# Altium PCB Length Bar Comparator.PcbDoc (part 5 of 6)
Units mm, origin at the board's own origin, x right, y up, seen from the top; angles counter-clockwise.
Board outline 299.85 x 245.49 mm, 4 copper layers (Top Layer, Internal Plane 1, Internal Plane 2, Bottom Layer), stack 0.778 mm thick; 462 components, 376 nets, 1824 pads, 805 vias.
Unrouted connection lines stored in the file: 8.
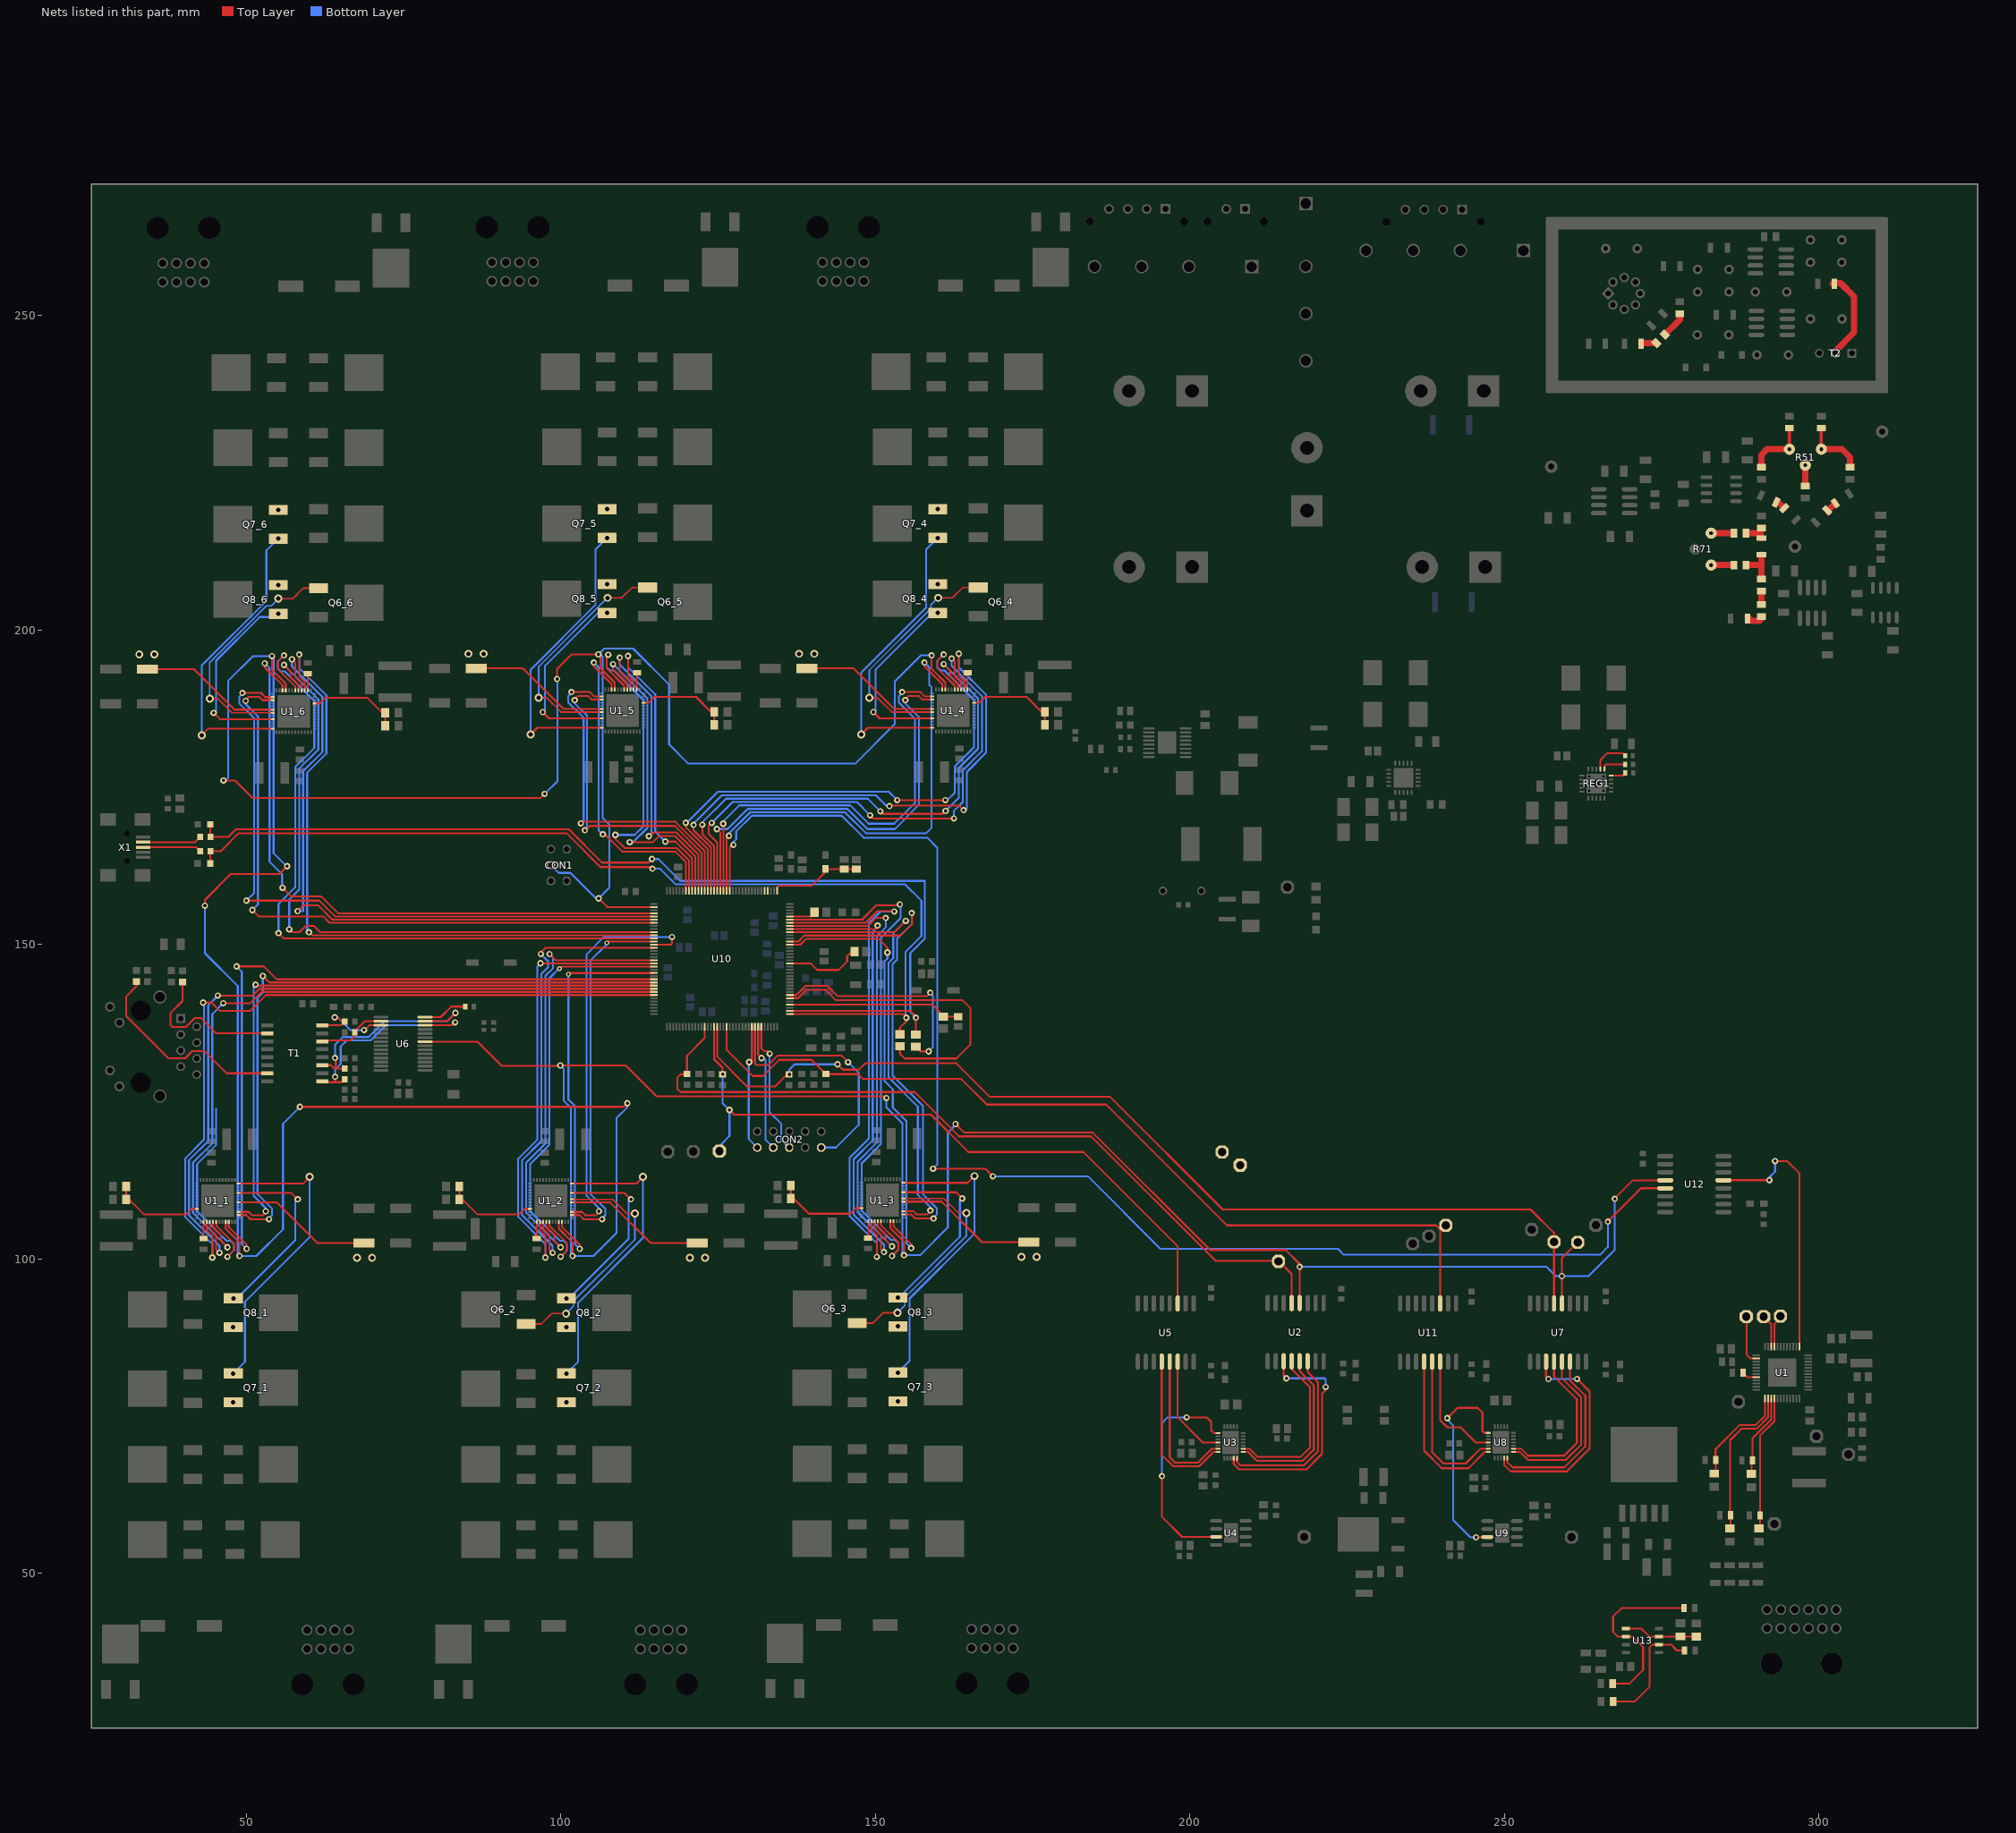
[diagram p7: the nets of this part, all layers, seen from the top]

## Via types
v1: diameter 1.016, hole 0.508, Top Layer to Bottom Layer, 512 vias
v2: diameter 1.27, hole 0.711, Top Layer to Bottom Layer, 194 vias
v3: diameter 1.5, hole 1, Top Layer to Bottom Layer, 31 vias
v4: diameter 2, hole 1, Top Layer to Bottom Layer, 24 vias
v5: diameter 0.762, hole 0.381, Top Layer to Bottom Layer, 20 vias
v6: diameter 1, hole 0.7, Top Layer to Bottom Layer, 6 vias
v7: diameter 1.27, hole 0.7, Top Layer to Bottom Layer, 6 vias
v8: diameter 3, hole 2, Top Layer to Bottom Layer, 4 vias
v9: diameter 0.5, hole 0.2, Top Layer to Bottom Layer, 4 vias
v10: diameter 1.4, hole 1, Top Layer to Bottom Layer, 2 vias
v11: diameter 1, hole 0.5, Top Layer to Bottom Layer, 1 vias
v12: diameter 1, hole 0.75, Top Layer to Bottom Layer, 1 vias

## Nets (pads, with @x,y where several pads share a name; then routed paths per layer and width w, separated by ;. In a path a pad name is that pad's centre, name@x,y a point inside that pad or via, vN(x,y) a via of type N, cw(c..) or ccw(c..) an arc to the next point about the centre after c; other vN are vias at no path point) (continued)
NetQ6_2_1: Q6_2.1 U1_2.31 | length 39.1
  Top Layer w0.254: Q6_2.1@94.449,89.658 96.897,89.658 98.552,91.313 v2(100.838,91.313) ; U1_2.31@101.76,109.47 108.208,109.47 110.49,107.188 v2(111.76,107.188)
  Bottom Layer w0.254: 100.838,91.948 v2(100.838,91.313) 101.981,92.456 101.981,93.294 111.76,103.073 v2(111.76,107.188)
NetQ6_3_1: Q6_3.1 U1_3.31 | length 39.1
  Top Layer w0.254: Q6_3.1@147.129,89.785 149.577,89.785 151.232,91.44 v2(153.518,91.44) ; U1_3.31@154.44,109.597 160.888,109.597 163.17,107.315 v2(164.44,107.315)
  Bottom Layer w0.254: 153.518,92.075 v2(153.518,91.44) 154.661,92.583 154.661,93.853 164.44,103.632 v2(164.44,107.315)
NetQ6_4_1: Q6_4.1 U1_4.31 | length 39.1
  Top Layer w0.254: v2(149.021,189.23) 150.291,189.23 152.573,186.948 U1_4.31@159.021,186.948 ; v2(159.943,205.105) 162.229,205.105 163.884,206.76 Q6_4.1@166.332,206.76
  Bottom Layer w0.254: v2(149.021,189.23) 149.021,193.623 158.8,203.402 158.8,203.962 v2(159.943,205.105) 159.943,204.47
NetQ6_5_1: Q6_5.1 U1_5.31 | length 38.4
  Top Layer w0.254: v2(96.468,189.23) 97.738,189.23 100.02,186.948 U1_5.31@106.468,186.948 ; v2(107.39,205.105) 109.676,205.105 111.331,206.76 Q6_5.1@113.779,206.76
  Bottom Layer w0.254: v2(96.468,189.23) 96.468,194.183 v2(107.39,205.105)
NetQ6_6_1: Q6_6.1 U1_6.31 | length 39.5
  Top Layer w0.254: v2(44.169,189.103) 45.439,189.103 47.721,186.821 U1_6.31@54.169,186.821 ; v2(55.091,204.978) 57.377,204.978 59.032,206.633 Q6_6.1@61.48,206.633
  Bottom Layer w0.254: v2(44.169,189.103) 44.169,194.816 53.188,203.835 53.948,203.835 v2(55.091,204.978) 55.091,204.343
NetQ7_1_1: Q7_1.1 U1_1.36 | length 48
  Top Layer w0.305: U1_1.36@48.801,111.97 59.011,111.97 v2(60.071,113.03)
  Bottom Layer w0.305: v2(47.924,81.792) 49.784,83.652 49.784,93.193 60.071,103.48 v2(60.071,113.03)
NetQ7_1_3: Q7_1.3 Q8_1.3 R2_1.2 U1_1.30 | length 22.6
  Top Layer w0.305: U1_1.30@48.801,108.97 54.86,108.97 61.297,102.533 R2_1.2@68.707,102.533
  other v2: 47.924,77.212 47.924,89.15 67.564,100.203 69.977,100.203
NetQ7_2_1: Q7_2.1 U1_2.36 | length 48
  Top Layer w0.305: U1_2.36@101.76,111.97 111.97,111.97 v2(113.03,113.03)
  Bottom Layer w0.305: v2(100.883,81.792) 102.743,83.652 102.743,93.04 113.03,103.327 v2(113.03,113.03)
NetQ7_2_3: Q7_2.3 Q8_2.3 R2_2.2 U1_2.30 | length 22.6
  Top Layer w0.305: U1_2.30@101.76,108.97 107.819,108.97 114.256,102.533 R2_2.2@121.666,102.533
  other v2: 100.883,77.212 100.883,89.15 120.523,100.203 122.936,100.203
NetQ7_3_1: Q7_3.1 U1_3.36 | length 48
  Top Layer w0.305: U1_3.36@154.44,112.097 164.65,112.097 v2(165.71,113.157)
  Bottom Layer w0.305: v2(153.563,81.919) 155.423,83.779 155.423,93.701 165.71,103.988 v2(165.71,113.157)
NetQ7_3_3: Q7_3.3 Q8_3.3 R2_3.2 U1_3.30 | length 22.6
  Top Layer w0.305: U1_3.30@154.44,109.097 160.499,109.097 166.936,102.66 R2_3.2@174.346,102.66
  other v2: 153.563,77.339 153.563,89.277 173.203,100.33 175.616,100.33
NetQ7_4_1: Q7_4.1 U1_4.36 | length 48
  Top Layer w0.305: v2(147.751,183.388) 148.811,184.448 U1_4.36@159.021,184.448
  Bottom Layer w0.305: v2(147.751,183.388) 147.751,193.217 158.038,203.504 158.038,212.766 v2(159.898,214.626)
NetQ7_4_3: Q7_4.3 Q8_4.3 R2_4.2 U1_4.30 | length 22.6
  Top Layer w0.305: R2_4.2@139.115,193.885 146.525,193.885 152.962,187.448 U1_4.30@159.021,187.448
  other v2: 137.845,196.215 140.258,196.215 159.898,207.268 159.898,219.206
NetQ7_5_1: Q7_5.1 U1_5.36 | length 48
  Top Layer w0.305: v2(95.198,183.388) 96.258,184.448 U1_5.36@106.468,184.448
  Bottom Layer w0.305: v2(95.198,183.388) 95.198,193.699 105.485,203.986 105.485,212.766 v2(107.345,214.626)
NetQ7_5_3: Q7_5.3 Q8_5.3 R2_5.2 U1_5.30 | length 22.6
  Top Layer w0.305: R2_5.2@86.562,193.885 93.972,193.885 100.409,187.448 U1_5.30@106.468,187.448
  other v2: 85.292,196.215 87.705,196.215 107.345,207.268 107.345,219.206
NetQ7_6_1: Q7_6.1 U1_6.36 | length 48
  Top Layer w0.305: v2(42.899,183.261) 43.959,184.321 U1_6.36@54.169,184.321
  Bottom Layer w0.305: v2(42.899,183.261) 42.899,194.334 53.186,204.621 53.186,212.639 v2(55.046,214.499)
NetQ7_6_3: Q7_6.3 Q8_6.3 R2_6.2 U1_6.30 | length 22.6
  Top Layer w0.305: R2_6.2@34.263,193.758 41.673,193.758 48.11,187.321 U1_6.30@54.169,187.321
  other v2: 32.993,196.088 35.406,196.088 55.046,207.141 55.046,219.079
NetQ8_1_1: Q8_1.1 U1_1.33 | length 29.9
  Top Layer w0.305: Q8_1.1@47.924,93.73 v2(47.928,93.726) ; U1_1.33@48.801,110.47 57.17,110.47 v1(58.166,109.474)
  Bottom Layer w0.305: v2@48.006,94.234 49.022,94.234 57.785,102.997 57.785,109.22 58.039,109.474 v1(58.166,109.474)
NetQ8_2_1: Q8_2.1 U1_2.33 | length 29.8
  Top Layer w0.305: Q8_2.1@100.883,93.73 v2(100.887,93.726) ; U1_2.33@101.76,110.47 110.129,110.47 v1(111.125,109.474)
  Bottom Layer w0.305: v2@100.965,94.234 101.803,94.234 110.744,103.175 110.744,109.22 110.998,109.474 v1(111.125,109.474)
NetQ8_3_1: Q8_3.1 U1_3.33 | length 29.6
  Top Layer w0.305: Q8_3.1@153.563,93.857 v2(153.567,93.853) ; U1_3.33@154.44,110.597 162.809,110.597 v1(163.805,109.601)
  Bottom Layer w0.305: v2@153.645,94.361 154.229,94.361 163.424,103.556 163.424,109.347 163.678,109.601 v1(163.805,109.601)
NetQ8_4_1: Q8_4.1 U1_4.33 | length 30.1
  Top Layer w0.305: v1(149.656,186.944) 150.652,185.948 U1_4.33@159.021,185.948 ; v2(159.894,202.692) Q8_4.1@159.898,202.688
  Bottom Layer w0.305: v1(149.656,186.944) 149.783,186.944 150.037,187.198 150.037,193.725 158.496,202.184 v2@159.816,202.184
NetQ8_5_1: Q8_5.1 U1_5.33 | length 30.1
  Top Layer w0.305: v1(97.103,186.944) 98.099,185.948 U1_5.33@106.468,185.948 ; v2(107.341,202.692) Q8_5.1@107.345,202.688
  Bottom Layer w0.305: v1(97.103,186.944) 97.23,186.944 97.484,187.198 97.484,194.309 105.867,202.692 v2@106.755,202.692
NetQ8_6_1: Q8_6.1 U1_6.33 | length 31
  Top Layer w0.305: v1(44.804,186.817) 45.8,185.821 U1_6.33@54.169,185.821 ; v2(55.042,202.565) Q8_6.1@55.046,202.561
  Bottom Layer w0.305: v1(44.804,186.817) 44.931,186.817 45.185,187.071 45.185,195.121 52.121,202.057 v2@54.964,202.057
NetR1_2: R1.2 R3.1 U13.6 | length 29.4
  Top Layer w0.305: R3.1@267.193,32.487 269.875,32.487 272.009,34.62 272.009,38.278 270.332,39.954 U13.6@269.291,39.954 267.97,39.954 267.259,40.665 267.259,43.155 268.58,44.475 R1.2@278.525,44.475
NetR2_1: R2.1 R4.2 U13.3 U13.5 | length 11.5
  Top Layer w0.305: U13.5@269.291,41.224 271.729,41.224 272.999,39.954 U13.3@274.541,39.954 R4.2@277.724,39.954 ; R4.2@277.952,39.971 277.978,39.946 R2.1@280.467,39.946
NetR3_1_1: R3_1.1 R4_1.2 U1_1.9 | length 14.6
  Top Layer w0.305: R3_1.1@30.895,111.506 R4_1.2@30.895,109.474 31.369,109.474 33.782,107.061 40.386,107.061 41.295,107.97 U1_1.9@42.131,107.97
NetR3_2_1: R3_2.1 R4_2.2 U1_2.9 | length 14.6
  Top Layer w0.305: R3_2.1@83.854,111.506 R4_2.2@83.854,109.474 84.328,109.474 86.741,107.061 93.345,107.061 94.254,107.97 U1_2.9@95.09,107.97
NetR3_3_1: R3_3.1 R4_3.2 U1_3.9 | length 14.6
  Top Layer w0.305: R3_3.1@136.534,111.633 R4_3.2@136.534,109.601 137.008,109.601 139.421,107.188 146.025,107.188 146.934,108.097 U1_3.9@147.77,108.097
NetR3_4_1: R3_4.1 R4_4.2 U1_4.9 | length 14.6
  Top Layer w0.305: U1_4.9@165.691,188.448 166.527,188.448 167.436,189.357 174.04,189.357 176.453,186.944 R4_4.2@176.927,186.944 R3_4.1@176.927,184.912
NetR3_5_1: R3_5.1 R4_5.2 U1_5.9 | length 14.6
  Top Layer w0.305: U1_5.9@113.138,188.448 113.974,188.448 114.883,189.357 121.487,189.357 123.9,186.944 R4_5.2@124.374,186.944 R3_5.1@124.374,184.912
NetR3_6_1: R3_6.1 R4_6.2 U1_6.9 | length 14.6
  Top Layer w0.305: U1_6.9@60.839,188.321 61.675,188.321 62.584,189.23 69.188,189.23 71.601,186.817 R4_6.2@72.075,186.817 R3_6.1@72.075,184.785
NetR6_1_2: R6_1.2 U1_1.14 | length 2.7
  Top Layer w0.3: R6_1.2@43.216,103.248 U1_1.14@43.216,105.885
  Top Layer w0.5: R6_1.2@43.18,103.212 R6_1.2@43.216,103.248
NetR6_2: R6.2 R7.1 U13.2 | length 19.1
  Top Layer w0.305: R7.1@267.244,29.642 270.713,29.642 273.025,31.953 273.025,38.202 273.507,38.684 U13.2@274.541,38.684 276.454,38.684 277.393,37.744 R6.2@278.575,37.744
NetR6_2_2: R6_2.2 U1_2.14 | length 2.7
  Top Layer w0.3: R6_2.2@96.175,103.248 U1_2.14@96.175,105.885
  Top Layer w0.5: R6_2.2@96.139,103.212 R6_2.2@96.175,103.248
NetR6_3_2: R6_3.2 U1_3.14 | length 2.7
  Top Layer w0.3: R6_3.2@148.855,103.375 U1_3.14@148.855,106.012
  Top Layer w0.5: R6_3.2@148.819,103.339 R6_3.2@148.855,103.375
NetR6_4_2: R6_4.2 U1_4.14 | length 2.7
  Top Layer w0.3: U1_4.14@164.606,190.533 R6_4.2@164.606,193.17
  Top Layer w0.5: R6_4.2@164.606,193.17 R6_4.2@164.642,193.206
NetR6_5_2: R6_5.2 U1_5.14 | length 2.7
  Top Layer w0.3: U1_5.14@112.053,190.533 R6_5.2@112.053,193.17
  Top Layer w0.5: R6_5.2@112.053,193.17 R6_5.2@112.089,193.206
NetR6_6_2: R6_6.2 U1_6.14 | length 2.7
  Top Layer w0.3: U1_6.14@59.754,190.406 R6_6.2@59.754,193.043
  Top Layer w0.5: R6_6.2@59.754,193.043 R6_6.2@59.79,193.079
NetR8_1: R8.1 R46.1 U10.38 Z2.1 | length 166.3
  Top Layer w0.305: Z2.1@44.285,169.062 R46.1@44.285,167.107 47.168,167.107 48.387,168.326 101.219,168.326 106.528,163.017 113.919,163.017 v1(114.478,163.576) ; U10.38@136.403,139.451 155.494,139.451 156.439,138.506 v1(156.439,138.354) 156.439,135.672 R8.1@156.413,135.646
  Bottom Layer w0.305: v1(114.478,163.576) 115.494,163.576 118.974,160.096 157.861,160.096 157.861,150.952 155.524,148.615 155.524,139.268 v1(156.439,138.354)
NetR8_2: R8.2 U10.43 | length 36
  Top Layer w0.305: U10.43@136.403,141.951 137.43,141.951 138.887,143.408 142.342,143.408 143.993,141.757 158.166,141.757 158.699,142.291 v1(158.699,142.342) ; R8.2@156.413,133.746 157.165,132.994 v1(158.471,132.994)
  Bottom Layer w0.305: v1(158.471,132.994) 159.106,133.629 159.106,141.935 v1(158.699,142.342)
NetR11_1: R11.1 R45.1 U10.37 Z1.1 | length 162.3
  Top Layer w0.305: Z1.1@44.51,162.839 44.285,163.065 R45.1@44.285,164.821 45.923,164.821 48.793,167.691 100.889,167.691 106.274,162.306 114.173,162.306 114.452,162.027 v1(114.554,162.027) ; U10.37@136.403,138.951 154.343,138.951 154.915,138.38 v1(154.915,138.328) 154.915,137.77 153.899,136.754 R11.1@153.899,135.697
  Bottom Layer w0.305: v1(114.554,162.027) 115.773,162.027 118.262,159.537 154.711,159.537 157.302,156.947 157.302,151.333 154.762,148.793 154.762,138.481 v1(154.915,138.328)
NetR11_2: R11.2 U10.42 | length 49.8
  Top Layer w0.305: U10.42@136.403,141.451 137.717,141.451 139.065,142.799 142.062,142.799 143.739,141.122 163.83,141.122 165.075,139.878 165.075,134.061 162.865,131.851 154.661,131.851 153.899,132.613 R11.2@153.899,133.797
NetR15_1: R15.1 U1.44 | length 2.4
  Top Layer w0.305: R15.1@287.895,81.89 288.607,81.178 U1.44@290.02,81.178
NetR16_2: R16.2 R17.2 U1.1 | length 16.8
  Top Layer w0.305: R17.2@283.325,65.859 283.565,66.099 R16.2@283.565,68.009 ; R16.2@283.528,68.009 283.528,69.736 287.389,73.597 289.954,73.597 291.395,75.038 U1.1@291.395,77.803
NetR18_2: R18.2 R20.2 U1.2 | length 24.7
  Top Layer w0.305: R20.2@285.84,57.147 285.902,57.209 R18.2@285.902,59.246 ; R18.2@285.84,59.195 285.84,71.159 287.668,72.988 290.081,72.988 291.895,74.802 U1.2@291.895,77.803
NetR21_2: R21.2 T1.11 U6.13 | length 34.2
  Top Layer w0.305: T1.11@62.078,130.785 63.449,130.785 63.957,130.277 64.211,130.277 ; v1(64.084,131.953) 64.211,131.826 64.211,130.277 ; R21.2@65.646,130.277 64.211,130.277 ; U6.13@78.405,137.789 78.411,137.795 81.915,137.795 v1(83.236,139.116)
  Bottom Layer w0.305: v1(64.084,131.953) 64.084,134.036 65.329,135.28 69.444,135.28 71.958,137.795 81.915,137.795 v1(83.236,139.116)
NetR22_2: R22.2 T1.9 U6.12 | length 34.6
  Top Layer w0.305: T1.9@62.078,128.245 62.23,128.092 64.135,128.092 ; v1(64.11,128.956) 64.135,128.93 64.135,128.092 ; R22.2@65.646,128.549 65.189,128.092 64.135,128.092 ; U6.12@78.405,137.139 78.409,137.135 82.728,137.135 v1(83.185,137.592)
  Bottom Layer w0.305: v1(64.11,128.956) 64.11,130.099 64.999,130.988 64.999,133.782 65.964,134.747 69.748,134.747 72.136,137.135 82.728,137.135 v1(83.185,137.592)
NetR23_2: R23.2 T1.16 U6.17 | length 14.2
  Top Layer w0.305: T1.16@62.078,137.135 65.062,137.135 R23.2@65.646,137.719 65.202,137.719 64.516,138.405 v1(64.033,138.405) ; v1(68.707,136.398) 68.783,136.398 69.524,137.139 U6.17@71.405,137.139
  Bottom Layer w0.305: v1(64.033,138.405) 64.516,138.405 66.523,136.398 v1(68.707,136.398)
NetR24_2: R24.2 T1.14 U6.16 | length 11.1
  Top Layer w0.305: T1.14@62.078,134.595 62.23,134.747 66.573,134.747 67.246,135.42 R24.2@67.246,135.992 67.246,136.207 68.828,137.789 U6.16@71.405,137.789
NetR30_2: R30.2 U6.14 | length 7.1
  Top Layer w0.305: U6.14@78.405,138.439 80.882,138.439 82.55,140.106 R30.2@84.782,140.106
NetR33_1: R33.1 T1.2 | length 24.7
  Top Layer w0.305: R33.1@39.853,144.007 39.853,140.995 37.948,139.09 37.948,137.211 38.278,136.881 40.386,136.881 41.783,138.278 42.799,138.278 45.212,135.865 T1.2@53.313,135.865
NetR34_1: R34.1 T1.7 | length 33.2
  Top Layer w0.305: R34.1@32.537,144.032 32.537,143.358 30.912,141.732 30.912,138.582 37.592,131.902 40.284,131.902 41.427,133.045 43.307,133.045 46.838,129.515 T1.7@53.312,129.515
NetR37_1: R37.1 U10.53 | length 12.6
  Top Layer w0.305: U10.53@136.403,146.951 139.739,146.951 140.741,145.948 144.17,145.948 145.491,147.269 145.491,148.143 R37.1@146.7,149.352
NetR38_2: R38.2 U10.68 | length 4.5
  Top Layer w0.305: U10.68@136.403,154.451 139.963,154.451 R38.2@140.604,155.092
NetR40_2: R40.2 R51.1 R65.1 | length 10.1
  Top Layer w0.5: R51.1@295.275,228.73 R65.1@295.275,232.029
  Top Layer w1: R40.2@290.83,225.867 290.83,227.838 291.722,228.73 R51.1@295.275,228.73
NetR41_2: R41.2 R42.2 U1.3 | length 13.3
  Top Layer w0.305: R42.2@289.243,65.808 289.243,67.654 289.421,67.831 289.421,71.514 292.395,74.489 U1.3@292.395,77.803
NetR43_2: R43.2 R44.2 U1.4 | length 21.6
  Top Layer w0.305: R44.2@290.589,57.147 290.589,71.895 292.895,74.201 U1.4@292.895,77.803
NetR51_2: R51.2 R52.1 R64.1 | length 10.1
  Top Layer w0.5: R51.2@300.355,228.73 R64.1@300.355,232.095
  Top Layer w1: R51.2@300.355,228.73 303.654,228.73 304.927,227.457 R52.1@304.927,225.867
NetR51_3: R51.3 R67.2 | length 3.3
  Top Layer w1: R67.2@297.815,222.88 R51.3@297.815,226.19
NetR53_2: R53.2 REG1.12 | length 6
  Top Layer w0.305: REG1.12@265.242,177.89 265.242,179.339 266.319,180.416 268.717,180.416 R53.2@269.148,179.984
NetR54_2: R54.2 REG1.11 | length 3.9
  Top Layer w0.305: REG1.11@265.892,177.89 265.892,178.389 266.116,178.613 R54.2@269.164,178.613
NetR55_2: R55.2 REG1.10 | length 2.4
  Top Layer w0.305: REG1.10@266.917,176.865 266.921,176.86 268.767,176.86 R55.2@269.174,177.267
NetR66_1: R66.1 R70.2 | length 1.7
  Top Layer w1: R66.1@293.174,220.293 293.549,220.293 R70.2@294.465,219.377
NetR68_1: R68.1 R71.1 | length 3.2
  Top Layer w1: R71.1@282.829,215.392 R68.1@286.076,215.392
NetR68_2: R68.2 R69.1 R72.2 | length 3.7
  Top Layer w0.254: R69.1@290.703,216.093 R69.1@290.83,216.22
  Top Layer w1: R68.2@288.726,215.392 290.703,215.392 ; R69.1@290.703,216.093 290.703,215.392 ; R72.2@290.83,214.613 290.703,214.74 290.703,215.392
NetR71_2: R71.2 R75.1 | length 3.2
  Top Layer w1: R71.2@282.829,210.312 R75.1@286.076,210.312
NetR72_1: R72.1 R75.2 R76.2 | length 5.7
  Top Layer w1: R75.2@288.726,210.312 290.83,210.312 ; R76.2@290.83,208.39 290.83,210.312 ; R72.1@290.83,211.963 290.83,210.312
NetR73_1: R73.1 R74.2 | length 1.9
  Top Layer w1: R73.1@301.502,218.722 301.502,219.079 R74.2@302.577,220.154
NetR76_1: R76.1 R78.2 | length 1.3
  Top Layer w1: R78.2@290.83,204.398 R76.1@290.83,205.74
NetR78_1: R78.1 R79.2 | length 2.6
  Top Layer w1: R79.2@288.599,202.057 289.179,201.477 290.559,201.477 R78.1@290.83,201.748
NetR80_2: R80.2 T2.2 | length 14.5
  Top Layer w0.254: T2.2@302.616,243.992 T2.2@302.616,244.373
  Top Layer w1: R80.2@302.163,255.041 302.29,255.168 303.378,255.168 305.537,253.009 305.537,247.294 T2.2@302.616,244.373
NetR83_2: R83.2 R84.1 | length 4.3
  Top Layer w1: R84.1@275.474,246.95 277.851,249.326 R83.2@277.851,250.281
NetR84_2: R84.2 R85.1 | length 2.4
  Top Layer w1: R85.1@271.723,245.516 271.813,245.607 R84.2@274.131,245.607
"NetTOP TON_TP": "TOP TON.TP" U1.38 | length 8.4
  Top Layer w0.305: 288.417,90.83 288.138,90.551 287.934,90.551 288.468,90.018 288.468,84.785 289.075,84.178 U1.38@290.02,84.178
NetTP16_TP: TP16.TP U1.34 | length 5.3
  Top Layer w0.305: TP16.TP@291.174,90.844 292.395,89.622 U1.34@292.395,86.053
NetTP17_TP: TP17.TP U1.33 | length 5.3
  Top Layer w0.305: U1.33@292.895,86.053 292.895,89.67 TP17.TP@294.069,90.844
NetU1_1_15: U1_1.15 U10.138 | length 122.9
  Top Layer w0.305: v1(43.129,140.741) 44.475,140.741 45.796,139.421 50.597,139.421 53.127,141.951 U10.138@114.803,141.951 ; U1_1.15@43.716,105.885 43.716,104.493 44.577,103.632 v1(44.577,100.203)
  Bottom Layer w0.305: v1(43.129,140.741) 43.256,140.614 43.256,118.948 40.259,115.951 40.259,106.68 44.577,102.362 v1(44.577,100.203)
NetU1_1_16: U1_1.16 U10.136 | length 120.1
  Top Layer w0.305: U1_1.16@44.216,105.885 44.216,104.755 45.212,103.759 45.212,101.473 v1(45.72,100.965) ; v1(45.466,141.859) 51.003,141.859 52.095,142.951 U10.136@114.803,142.951
  Bottom Layer w0.305: v1(45.466,141.859) 43.942,140.335 43.942,118.745 40.894,115.697 40.894,106.934 45.72,102.108 v1(45.72,100.965)
NetU1_1_17: U1_1.17 U10.137 | length 117.2
  Top Layer w0.305: U1_1.17@44.716,105.885 44.716,105.017 45.974,103.759 45.974,102.87 v1(46.99,101.854) ; v1(46.33,140.665) 50.648,140.665 52.433,142.451 U10.137@114.803,142.451
  Bottom Layer w0.305: v1(46.33,140.665) 44.577,138.913 44.577,118.364 41.529,115.316 41.529,107.315 v1(46.99,101.854)
NetU1_1_18: U1_1.18 | length 35.2
  Top Layer w0.305: U1_1.18@45.216,105.885 45.216,105.279 48.006,102.489 48.006,101.346 v1(46.99,100.33)
  Bottom Layer w0.305: 45.212,123.952 45.212,118.11 42.164,115.062 42.164,107.569 46.863,102.87 47.498,102.87 48.006,102.362 48.006,101.346 v1(46.99,100.33)
NetU1_1_22: U1_1.22 U10.133 | length 118.2
  Top Layer w0.305: U1_1.22@47.216,105.885 47.216,105.057 50.038,102.235 v1(50.038,101.6) ; v1(48.438,146.507) 52.781,146.507 54.837,144.451 U10.133@114.803,144.451
  Bottom Layer w0.305: v1(48.438,146.507) 49.276,145.669 49.276,102.362 v1(50.038,101.6)
NetU1_1_26: U1_1.26 U10.134 | length 107.9
  Top Layer w0.305: U1_1.26@48.801,106.97 50.002,106.97 50.673,106.299 v1(53.594,106.299) ; v1(52.629,144.983) 53.661,143.951 U10.134@114.803,143.951
  Bottom Layer w0.305: v1(52.629,144.983) 52.629,142.342 51.765,141.478 51.765,110.287 54.102,107.95 54.102,106.934 53.594,106.426 v1(53.594,106.299)
NetU1_1_27: U1_1.27 U10.135 | length 105.6
  Top Layer w0.305: U1_1.27@48.801,107.47 50.391,107.47 50.927,106.934 52.578,106.934 53.086,107.442 v1(53.086,107.569) ; v1(51.46,143.586) 51.384,143.586 51.249,143.451 U10.135@114.803,143.451
  Bottom Layer w0.305: v1(51.46,143.586) 51.156,143.281 51.156,110.007 53.086,108.077 v1(53.086,107.569)
NetU1_2_15: U1_2.15 U10.128 | length 74.2
  Top Layer w0.305: U1_2.15@96.675,105.885 96.675,104.493 97.536,103.632 v1(97.536,100.203) ; v1(96.749,147.015) 96.813,146.951 U10.128@114.803,146.951
  Bottom Layer w0.305: v1(96.749,147.015) 96.266,146.533 96.266,118.999 93.218,115.951 93.218,106.68 97.536,102.362 v1(97.536,100.203)
NetU1_2_16: U1_2.16 U10.123 | length 75.6
  Top Layer w0.305: v1@96.799,148.692 97.559,149.451 U10.123@114.803,149.451 ; U1_2.16@97.175,105.885 97.175,104.755 98.171,103.759 98.171,101.473 v1(98.679,100.965)
  Bottom Layer w0.305: v1(96.799,148.488) 97.968,147.32 97.968,146.355 96.901,145.288 96.901,118.745 93.853,115.697 93.853,106.934 98.679,102.108 v1(98.679,100.965)
NetU1_2_17: U1_2.17 U10.127 | length 72.9
  Top Layer w0.305: U1_2.17@97.675,105.885 97.675,105.017 98.933,103.759 98.933,102.87 v1(99.949,101.854) ; v1(98.196,148.463) 99.208,147.451 U10.127@114.803,147.451
  Bottom Layer w0.305: v1(98.196,148.463) 98.755,147.904 98.755,146.228 97.536,145.009 97.536,118.364 94.488,115.316 94.488,107.315 v1(99.949,101.854)
NetU1_2_18: U1_2.18 U10.129 | length 73.3
  Top Layer w0.305: U1_2.18@98.175,105.885 98.175,105.279 100.965,102.489 100.965,101.346 v1(99.949,100.33) ; v5(99.771,146.152) 99.847,146.152 100.147,146.451 U10.129@114.803,146.451
  Bottom Layer w0.305: v5(99.771,146.152) 99.695,146.152 98.171,144.628 98.171,118.11 95.123,115.062 95.123,107.569 99.822,102.87 100.457,102.87 100.965,102.362 100.965,101.346 v1(99.949,100.33)
NetU1_2_22: U1_2.22 U10.131 | length 63.8
  Top Layer w0.305: U1_2.22@100.175,105.885 100.175,105.057 102.997,102.235 v1(102.997,101.6) ; v5(101.194,145.263) 101.194,145.36 101.103,145.451 U10.131@114.803,145.451
  Bottom Layer w0.305: v5(101.194,145.263) 101.194,125.349 102.235,124.308 102.235,102.362 v1(102.997,101.6)
NetU1_2_26: U1_2.26 U10.121 | length 58.9
  Top Layer w0.305: U1_2.26@101.76,106.97 102.961,106.97 103.632,106.299 v1(106.553,106.299) ; v5(107.29,150.241) 107.5,150.451 U10.121@114.803,150.451
  Bottom Layer w0.305: v1(106.553,106.299) 106.553,106.426 107.061,106.934 107.061,107.95 104.699,110.312 104.699,147.447 107.29,150.038 v5(107.29,150.241)
NetU1_2_27: U1_2.27 U10.122 | length 65.2
  Top Layer w0.305: U1_2.27@101.76,107.47 103.35,107.47 103.886,106.934 105.537,106.934 106.045,107.442 v1(106.045,107.569) ; U10.122@114.803,149.951 117.435,149.951 117.653,150.169 v1(117.653,151.181)
  Bottom Layer w0.305: v1(106.045,107.569) 106.045,108.077 104.089,110.033 104.089,148.438 106.832,151.181 v1(117.653,151.181)
NetU1_3_15: U1_3.15 U10.66 | length 84.4
  Top Layer w0.305: U10.66@136.403,153.451 148.447,153.451 150.292,155.296 152.933,155.296 v1(152.984,155.245) ; U1_3.15@149.355,106.012 149.355,104.62 150.216,103.759 v1(150.216,100.33)
  Bottom Layer w0.305: v1(150.216,100.33) 150.216,102.489 145.898,106.807 145.898,116.078 148.946,119.126 148.946,153.366 150.876,155.296 150.927,155.245 v1(152.984,155.245)
NetU1_3_16: U1_3.16 U10.64 | length 76
  Top Layer w0.305: U10.64@136.403,152.451 150.038,152.451 v1@150.647,153.06 ; U1_3.16@149.855,106.012 149.855,104.882 150.851,103.886 150.851,101.6 v1(151.359,101.092) ; v1(150.343,153.01) v1@150.597,153.01
  Bottom Layer w0.305: v1@150.647,153.06 149.556,151.969 149.556,118.847 146.533,115.824 146.533,107.061 151.359,102.235 v1(151.359,101.092)
NetU1_3_17: U1_3.17 U10.65 | length 77.1
  Top Layer w0.305: U10.65@136.403,152.951 148.811,152.951 150.063,154.203 v1(151.638,154.203) ; U1_3.17@150.355,106.012 150.355,105.144 151.613,103.886 151.613,102.997 v1(152.629,101.981)
  Bottom Layer w0.305: v1(151.638,154.203) 151.663,154.203 151.663,152.756 150.216,151.308 150.216,118.491 147.168,115.443 147.168,107.442 v1(152.629,101.981)
NetU1_3_18: U1_3.18 U10.67 | length 87.6
  Top Layer w0.305: U10.67@136.403,153.951 147.88,153.951 150.139,156.21 154.026,156.21 v1(153.873,156.362) ; U1_3.18@150.855,106.012 150.855,105.406 153.645,102.616 153.645,101.473 v1(152.629,100.457)
  Bottom Layer w0.305: v1(152.629,100.457) 153.645,101.473 153.645,102.489 153.137,102.997 152.502,102.997 147.803,107.696 147.803,115.189 150.851,118.237 150.851,151.029 154,154.178 154,156.235 v1(153.873,156.362)
NetU1_3_22: U1_3.22 U10.59 | length 71.6
  Top Layer w0.305: U10.59@136.403,149.951 138.064,149.951 139.014,150.901 150.47,150.901 151.892,149.479 v1(151.892,148.717) ; U1_3.22@152.855,106.012 152.855,105.184 155.677,102.362 v1(155.677,101.727)
  Bottom Layer w0.305: v1(151.892,148.717) 151.892,147.752 151.46,147.32 151.46,128.27 152.756,126.975 152.756,124.079 154.915,121.92 154.915,102.489 v1(155.677,101.727)
NetU1_3_26: U1_3.26 U10.60 | length 80.3
  Top Layer w0.305: U10.60@136.403,150.451 137.726,150.451 138.684,151.409 153.949,151.409 155.804,153.264 v1@155.804,154.991 ; U1_3.26@154.44,107.097 155.641,107.097 156.312,106.426 v1(159.233,106.426)
  Bottom Layer w0.305: v1(155.753,154.991) 155.753,153.213 153.416,150.876 153.416,147.549 152.705,146.837 152.705,129.184 157.531,124.358 157.531,110.287 159.741,108.077 159.741,107.061 159.233,106.553 v1(159.233,106.426)
NetU1_3_27: U1_3.27 U10.63 | length 73.9
  Top Layer w0.305: U10.63@136.403,151.951 153.018,151.951 v1(154.813,153.746) ; U1_3.27@154.44,107.597 156.03,107.597 156.566,107.061 158.217,107.061 158.725,107.569 v1(158.725,107.696)
  Bottom Layer w0.305: v1(154.813,153.746) 152.832,151.765 152.832,147.828 152.095,147.091 152.095,128.829 156.743,124.181 156.743,110.186 158.725,108.204 v1(158.725,107.696)
NetU1_4_15: U1_4.15 U10.94 | length 92
  Top Layer w0.305: v1(121.082,169.012) 121.082,168.173 123.853,165.402 U10.94@123.853,158.501 ; v1(152.222,171.983) 152.324,172.085 163.271,172.085 v1(164.008,171.348) ; v1(163.245,196.215) 163.245,192.786 164.106,191.925 U1_4.15@164.106,190.533
  Bottom Layer w0.305: v1(121.082,169.012) 121.082,169.215 125.578,173.711 150.063,173.711 151.79,171.983 v1(152.222,171.983) ; v1(163.245,196.215) 163.245,194.056 167.563,189.738 167.563,180.467 164.515,177.419 164.515,171.653 164.21,171.348 v1(164.008,171.348)
NetU1_4_16: U1_4.16 U10.92 | length 87.4
  Top Layer w0.305: v1(123.977,169.316) 123.495,168.834 123.495,167.538 124.853,166.18 U10.92@124.853,158.501 ; v1(149.149,170.536) 149.657,170.028 v1(162.484,170.028) ; v1(162.102,195.453) 162.61,194.945 162.61,192.659 163.606,191.663 U1_4.16@163.606,190.533
  Bottom Layer w0.305: v1(123.977,169.316) 127.305,172.644 147.041,172.644 v1(149.149,170.536) ; v1(162.102,195.453) 162.102,194.31 166.928,189.484 166.928,180.721 163.88,177.673 163.88,172.643 162.484,171.247 v1(162.484,170.028)
NetU1_4_17: U1_4.17 U10.93 | length 86.1
  Top Layer w0.305: v1(122.479,169.037) 122.479,167.513 124.353,165.639 U10.93@124.353,158.501 ; v1(150.774,171.171) 151.181,170.764 160.68,170.764 v1(161.138,171.221) ; v1(160.832,194.564) 161.848,193.548 161.848,192.659 163.106,191.401 U1_4.17@163.106,190.533
  Bottom Layer w0.305: v1(122.479,169.037) 122.682,169.037 122.403,169.316 126.263,173.177 148.768,173.177 v1(150.774,171.171) ; v1(160.832,194.564) 166.293,189.103 166.293,181.102 163.245,178.054 163.245,173.329 v1(161.138,171.221)
NetU1_4_18: U1_4.18 U10.95 | length 91.7
  Top Layer w0.305: v1(119.837,169.342) 119.837,168.656 123.353,165.14 U10.95@123.353,158.501 ; v1(153.441,172.949) v1(161.112,172.949) ; v1(160.832,196.088) 159.816,195.072 159.816,193.929 162.606,191.139 U1_4.18@162.606,190.533
  Bottom Layer w0.305: v1(119.837,169.342) 120.015,169.342 124.943,174.269 152.121,174.269 v1(153.441,172.949) ; v1(160.832,196.088) 159.816,195.072 159.816,194.056 160.324,193.548 160.959,193.548 165.658,188.849 165.658,181.356 162.61,178.308 162.61,174.116 161.442,172.949 v1(161.112,172.949)
NetU1_4_22: U1_4.22 U10.89 | length 76.8
  Top Layer w0.305: U10.89@126.353,158.501 126.353,166.942 v1(126.695,167.284) ; v1(157.784,194.818) 157.784,194.183 160.606,191.361 U1_4.22@160.606,190.533
  Bottom Layer w0.305: v1(126.695,167.284) 126.695,167.615 130.099,171.018 145.136,171.018 148.463,167.691 158.064,167.691 158.927,168.554 158.927,190.881 158.546,191.262 158.546,194.056 v1(157.784,194.818)
NetU1_4_26: U1_4.26 U10.90 | length 69.1
  Top Layer w0.305: v1(125.806,169.189) 125.853,169.143 U10.90@125.853,158.501 ; v1(154.228,190.119) 157.149,190.119 157.82,189.448 U1_4.26@159.021,189.448
  Bottom Layer w0.305: v1(125.806,169.189) 125.806,169.57 128.346,172.11 145.974,172.11 148.895,169.189 152.983,169.189 156.26,172.466 156.26,185.928 153.72,188.468 153.72,189.484 154.228,189.992 v1(154.228,190.119)
NetU1_4_27: U1_4.27 U10.91 | length 68.8
  Top Layer w0.305: v1(124.79,168.351) 125.353,167.788 U10.91@125.353,158.501 ; v1(154.736,188.849) 154.736,188.976 155.244,189.484 156.895,189.484 157.431,188.948 U1_4.27@159.021,188.948
  Bottom Layer w0.305: v1(124.79,168.351) 126.467,168.351 129.667,171.552 145.542,171.552 148.742,168.351 153.086,168.351 156.895,172.16 156.895,186.182 154.736,188.341 v1(154.736,188.849)
NetU1_5_15: U1_5.15 U10.100 | length 48.2
  Top Layer w0.305: v1(110.668,195.859) 110.668,192.81 111.553,191.925 U1_5.15@111.553,190.533 ; v1(116.586,166.345) 118.212,166.345 120.853,163.703 U10.100@120.853,158.501
  Bottom Layer w0.305: v1(110.668,195.859) 110.668,194.08 114.986,189.762 114.986,167.945 v1(116.586,166.345)
NetU1_5_16: U1_5.16 U10.98 | length 51.9
  Top Layer w0.305: v1(109.347,195.605) 109.347,193.369 111.053,191.663 U1_5.16@111.053,190.533 ; v1(113.97,167.208) 114.122,167.208 114.732,167.818 118.339,167.818 121.853,164.303 U10.98@121.853,158.501
  Bottom Layer w0.305: v1(109.347,195.605) 109.347,194.512 114.375,189.484 114.375,167.461 114.122,167.208 v1(113.97,167.208)
NetU1_5_17: U1_5.17 U10.99 | length 54.7
  Top Layer w0.305: v1(108.279,194.564) 108.279,193.675 110.553,191.401 U1_5.17@110.553,190.533 ; v1(110.947,166.268) 114.656,166.268 115.646,167.259 118.085,167.259 121.353,163.991 U10.99@121.353,158.501
  Bottom Layer w0.305: v1(108.279,194.564) 113.74,189.103 113.74,168.528 111.481,166.268 v1(110.947,166.268)
NetU1_5_18: U1_5.18 U10.101 | length 60.7
  Top Layer w0.305: v1(107.518,196.063) 107.518,196.038 107.263,195.783 107.263,193.929 110.053,191.139 U1_5.18@110.053,190.533 ; v1(108.661,167.411) 108.661,167.056 108.534,166.929 110.134,165.329 118.389,165.329 120.353,163.365 U10.101@120.353,158.501
  Bottom Layer w0.305: v1(107.518,196.063) 107.518,196.038 107.263,195.783 107.263,194.056 107.771,193.548 108.406,193.548 113.105,188.849 113.105,168.782 111.735,167.411 v1(108.661,167.411)
NetU1_5_22: U1_5.22 U10.102 | length 53.1
  Top Layer w0.305: v1(105.231,194.818) 105.231,194.183 108.053,191.361 U1_5.22@108.053,190.533 ; v1(106.68,167.513) 106.832,167.665 109.728,164.77 118.186,164.77 119.853,163.103 U10.102@119.853,158.501
  Bottom Layer w0.305: v1(105.231,194.818) 105.993,194.056 105.993,168.149 106.629,167.513 v1(106.68,167.513)
NetU1_5_26: U1_5.26 U10.96 | length 55.9
  Top Layer w0.305: v1(101.675,190.119) 104.596,190.119 105.267,189.448 U1_5.26@106.468,189.448 ; v1(103.175,169.24) 102.946,169.24 103.2,169.494 118.212,169.494 122.853,164.853 U10.96@122.853,158.501
  Bottom Layer w0.305: v1(101.675,190.119) 101.675,189.992 101.167,189.484 101.167,188.468 103.607,186.028 103.607,169.672 v1(103.175,169.24)
NetU1_5_27: U1_5.27 U10.97 | length 53.2
  Top Layer w0.305: v1(102.183,188.849) 102.183,188.976 102.691,189.484 104.342,189.484 104.878,188.948 U1_5.27@106.468,188.948 ; v1(103.81,168.148) 103.81,168.123 103.835,168.097 104.572,168.834 118.11,168.834 122.353,164.591 U10.97@122.353,158.501
  Bottom Layer w0.305: v1(102.183,188.849) 102.183,188.341 104.14,186.384 104.14,168.707 103.81,168.377 v1(103.81,168.148)
NetU1_6_15: U1_6.15 U10.119 | length 108.4
  Top Layer w0.305: v1(58.393,196.088) 58.393,192.659 59.254,191.798 U1_6.15@59.254,190.406 ; v1(59.944,151.943) 60.436,151.451 U10.119@114.803,151.451
  Bottom Layer w0.305: v1(58.393,196.088) 58.393,193.929 62.711,189.611 62.711,180.34 59.663,177.292 59.663,152.224 v1(59.944,151.943)
NetU1_6_16: U1_6.16 U10.114 | length 107.7
  Top Layer w0.305: v1(57.25,195.326) 57.758,194.818 57.758,192.532 58.754,191.536 U1_6.16@58.754,190.406 ; v1(58.141,155.296) 59.08,156.235 61.366,156.235 63.651,153.951 U10.114@114.803,153.951
  Bottom Layer w0.305: v1(57.25,195.326) 57.25,194.183 62.076,189.357 62.076,180.594 59.03,177.548 59.03,155.296 v1(58.141,155.296)
NetU1_6_17: U1_6.17 U10.118 | length 110.2
  Top Layer w0.305: v1(55.98,194.437) 56.996,193.421 56.996,192.532 58.254,191.274 U1_6.17@58.254,190.406 ; v1(56.82,152.4) 57.269,151.951 58.428,151.951 59.411,152.933 60.757,152.933 61.739,151.951 U10.118@114.803,151.951
  Bottom Layer w0.305: v1(55.98,194.437) 61.441,188.976 61.441,180.975 58.393,177.927 58.393,158.698 56.82,157.124 v1(56.82,152.4)
NetU1_6_18: U1_6.18 U10.120 | length 116.9
  Top Layer w0.305: v1(55.118,151.79) 55.957,150.951 U10.120@114.803,150.951 ; v1(55.98,195.961) 54.964,194.945 54.964,193.802 57.754,191.012 U1_6.18@57.754,190.406
  Bottom Layer w0.305: v1(55.118,151.79) 55.118,156.439 57.758,159.079 57.758,178.181 60.806,181.229 60.806,188.722 56.107,193.421 55.472,193.421 54.964,193.929 54.964,194.945 v1(55.98,195.961)
NetU1_6_22: U1_6.22 U10.112 | length 103
  Top Layer w0.305: v1(52.932,194.691) 52.932,194.056 55.754,191.234 U1_6.22@55.754,190.406 ; v1(55.753,159.004) 57.099,157.658 61.849,157.658 64.556,154.951 U10.112@114.803,154.951
  Bottom Layer w0.305: v1(52.932,194.691) 53.694,193.929 53.694,163.146 55.677,161.163 55.677,159.08 v1(55.753,159.004)
NetU1_6_26: U1_6.26 U10.113 | length 105.6
  Top Layer w0.305: v1(49.376,189.992) 52.297,189.992 52.968,189.321 U1_6.26@54.169,189.321 ; v1(50.013,156.972) 61.57,156.972 64.091,154.451 U10.113@114.803,154.451
  Bottom Layer w0.305: v1(49.376,189.992) 49.376,189.865 48.868,189.357 48.868,188.341 51.232,185.977 51.232,158.191 v1(50.013,156.972)
NetU1_6_27: U1_6.27 U10.115 | length 104
  Top Layer w0.305: v1(49.884,188.722) 49.884,188.849 50.392,189.357 52.043,189.357 52.579,188.821 U1_6.27@54.169,188.821 ; v1(50.952,155.473) 51.968,154.457 62.205,154.457 63.211,153.451 U10.115@114.803,153.451
  Bottom Layer w0.305: v1(49.884,188.722) 49.884,188.214 51.841,186.257 51.841,156.362 v1(50.952,155.473)
NetU2_11: U2.11 U3.11 | length 37.6
  Top Layer w0.305: U3.11@206.951,68.315 206.951,67.394 207.797,66.548 218.516,66.548 220.993,69.025 220.993,78.575 221.564,79.146 v1(221.564,79.629) ; U2.11@214.884,83.718 214.884,81.432 v1(215.316,81.001)
  Bottom Layer w0.305: v1(215.316,81.001) 221.412,81.001 221.564,80.848 v1(221.564,79.629)
NetU2_12: U2.12 U3.14 | length 26.7
  Top Layer w0.305: U3.14@208.451,69.815 209.458,69.815 210.718,68.555 217.627,68.555 219.075,70.002 219.075,79.578 216.154,82.499 U2.12@216.154,83.718
NetU2_13: U2.13 U3.13 | length 27.5
  Top Layer w0.305: U3.13@208.451,69.315 209.221,69.315 210.642,67.894 217.907,67.894 219.685,69.672 219.685,79.908 217.424,82.169 U2.13@217.424,83.718
NetU2_14: U2.14 U3.12 | length 29.6
  Top Layer w0.305: U3.12@207.451,68.315 207.451,67.732 208.026,67.158 218.084,67.158 220.345,69.418 220.345,80.391 218.694,82.042 U2.14@218.694,83.718
NetU3_1: U3.1 U4.3 | length 35.9
  Top Layer w0.3: v1(195.555,65.456) 195.555,58.979 198.73,55.804 U4.3@204.152,55.804 ; v1(199.466,74.803) 202.641,74.803 203.352,74.092 203.352,72.72 203.757,72.315 U3.1@204.451,72.315
  Bottom Layer w0.3: v1(195.555,65.456) 195.555,73.914 196.444,74.803 v1(199.466,74.803)
NetU3_4: U3.4 U5.14 | length 16.9
  Top Layer w0.305: U5.14@198.044,83.665 198.044,74.803 202.032,70.815 U3.4@204.451,70.815
NetU3_6: U3.6 U5.13 | length 24.1
  Top Layer w0.305: U5.13@196.774,83.665 196.774,68.453 197.612,67.615 201.244,67.615 203.445,69.815 U3.6@204.451,69.815
NetU3_7: U3.7 U5.12 | length 25.5
  Top Layer w0.305: U5.12@195.504,83.665 195.504,68.859 197.333,67.031 201.473,67.031 203.757,69.315 U3.7@204.451,69.315
NetU7_11: U7.11 U8.11 | length 36
  Top Layer w0.305: U8.11@249.919,68.33 249.919,67.277 250.977,66.218 259.893,66.218 263.525,69.85 263.525,78.918 v1(261.518,80.924) ; U7.11@256.591,83.665 256.591,81.28 v1(256.972,80.899)
  Bottom Layer w0.305: v1(256.972,80.899) 256.997,80.924 v1(261.518,80.924)
NetU7_12: U7.12 U8.14 | length 25.8
  Top Layer w0.305: U8.14@251.419,69.83 252.623,69.83 253.746,68.707 259.461,68.707 261.493,70.739 261.493,77.673 257.861,81.305 U7.12@257.861,83.665
NetU7_13: U7.13 U8.13 | length 26.7
  Top Layer w0.305: U8.13@251.419,69.33 252.412,69.33 253.695,68.047 259.74,68.047 262.179,70.485 262.179,77.978 259.131,81.026 U7.13@259.131,83.665
NetU7_14: U7.14 U8.12 | length 29.3
  Top Layer w0.305: U8.12@250.419,68.33 250.419,67.716 251.282,66.853 259.512,66.853 262.839,70.18 262.839,78.232 260.401,80.67 U7.14@260.401,83.665
NetU8_1: U8.1 U9.3 | length 33.8
  Top Layer w0.305: v1(240.894,74.676) 242.545,76.327 245.72,76.327 246.482,75.565 246.482,72.593 246.745,72.33 U8.1@247.419,72.33 ; v1(245.466,55.728) 247.205,55.728 U9.3@247.256,55.778
  Bottom Layer w0.305: v1(240.894,74.676) 240.894,74.447 241.808,73.533 241.808,58.496 244.577,55.728 v1(245.466,55.728)
NetU8_4: U8.4 U11.14 | length 18.4
  Top Layer w0.305: U11.14@239.751,83.665 239.751,74.371 240.906,73.215 242.989,73.215 245.375,70.83 U8.4@247.419,70.83
NetU8_6: U8.6 U11.13 | length 25.1
  Top Layer w0.305: U11.13@238.481,83.665 238.481,69.266 240.284,67.462 243.815,67.462 246.182,69.83 U8.6@247.419,69.83
NetU8_7: U8.7 U11.12 | length 26.6
  Top Layer w0.305: U11.12@237.211,83.665 237.211,69.52 240.005,66.726 244.272,66.726 246.876,69.33 U8.7@247.419,69.33
NetU10_76: U10.76
NetU10_77: U10.77
NetU10_88: U10.88 U12.5 | length 225.5
  Top Layer w0.305: U10.88@126.853,158.501 126.853,165.486 127.406,166.04 v1(127.406,165.837) ; v1(159.156,114.351) 167.437,114.351 v1(168.656,113.132) ; v1(266.421,105.918) 266.421,105.943 271.704,111.227 U12.5@275.537,111.227
  Bottom Layer w0.305: v1(127.406,165.837) 127.406,166.268 127.864,166.726 127.864,167.97 130.378,170.485 144.602,170.485 148.107,166.98 158.217,166.98 159.817,165.379 159.817,115.011 v1(159.156,114.351) ; v1(168.656,113.132) 183.769,113.132 195.301,101.6 223.495,101.6 224.434,100.66 265.176,100.66 266.421,101.905 v1(266.421,105.918)
RESET1*: R47.1 TP10.TP U5.3 U10.16 | length 111.3
  Top Layer w0.305: U10.16@124.353,136.901 124.353,131.755 125.705,130.404 v1(125.705,129.36) ; v1(126.797,123.673) 127.533,122.936 158.826,122.936 164.77,116.992 183.058,116.992 198.044,102.006 U5.3@198.044,92.915 ; v1(125.705,129.36) 125.709,129.36 125.707,129.362 v1(125.705,129.36)
  Bottom Layer w0.305: TP10.TP@125.197,117.119 125.197,117.932 126.797,119.532 v1(126.797,123.673) 125.679,124.79 125.679,129.003 126.037,129.36 v1(125.705,129.36)
RESET2*: R14.1 TP14.TP U10.20 U11.3 | length 144.1
  Top Layer w0.305: U10.20@126.353,136.901 126.353,133.21 130.48,129.083 132.131,129.083 134.689,131.641 139.846,131.641 R14.1@142.113,129.374 147.232,129.374 148.006,128.6 163.652,128.6 167.716,124.536 186.665,124.536 205.867,105.334 239.116,105.334 239.433,105.016 ; U11.3@239.751,92.915 239.751,104.699 239.433,105.016 ; TP14.TP@240.64,105.334 240.322,105.016 239.433,105.016
RX0: TP2.TP
SCLK: CON1.3 TP6.TP U1_1.21 U1_2.21 U1_3.21 U1_4.21 U1_5.21 U1_6.21 U2.4 U6.8 U7.4 U10.110 U12.4 | length 812.8
  Top Layer w0.305: v1(43.409,156.159) 43.409,157.074 47.523,161.188 55.245,161.188 v1(56.49,162.433) ; v1(46.355,176.073) 48.184,176.073 50.952,173.304 96.774,173.304 v1(97.409,173.939) ; U1_1.21@46.716,105.885 46.716,104.795 48.895,102.616 v1(48.895,100.457) ; v1(54.075,195.834) 54.075,193.675 56.254,191.496 U1_6.21@56.254,190.406 ; v1(58.496,124.181) 110.007,124.181 v1(110.566,124.739) ; U6.8@78.405,134.539 86.721,134.539 90.551,130.708 99.873,130.708 v1(99.924,130.759) 110.287,130.759 115.189,125.857 151.74,125.857 v1(151.74,125.578) ; v1(99.39,192.202) 99.39,193.802 101.702,196.113 v1(105.969,196.113) 106.274,195.809 106.274,193.902 108.553,191.623 U1_5.21@108.553,190.533 ; U1_2.21@99.675,105.885 99.675,104.795 101.854,102.616 v1(101.854,100.457) ; v1(105.994,157.328) 107.371,155.951 U10.110@114.803,155.951 ; U1_3.21@152.355,106.012 152.355,104.922 154.534,102.743 v1(154.534,100.584) ; v1(158.927,195.961) 158.927,193.802 161.106,191.623 U1_4.21@161.106,190.533 ; v1(162.738,121.437) 164.109,120.066 184.556,120.066 203.2,101.422 215.189,101.422 217.424,99.187 v1(217.424,98.73) U2.4@217.424,92.968 ; v1(259.105,97.257) 259.105,100.127 TP6.TP@261.62,102.641 ; U7.4@259.131,92.915 v1@259.131,97.231 ; v1(267.513,109.55) 267.513,109.652 270.358,112.497 U12.4@275.537,112.497
  Bottom Layer w0.305: v1(43.409,156.159) 43.409,148.615 48.641,143.383 48.641,100.711 v1(48.895,100.457) 51.587,100.457 55.829,104.699 55.829,121.488 58.522,124.181 v1(58.496,124.181) ; v1(46.355,176.073) 46.634,176.073 47.092,176.53 47.092,191.872 51.054,195.834 v1(54.075,195.834) 54.329,195.58 54.329,164.492 56.388,162.433 v1(56.49,162.433) ; v1(97.409,173.939) 99.466,175.997 99.466,192.126 v1(99.39,192.202) ; CON1.3@98.4,162.611 99.644,161.366 101.524,161.366 105.562,157.328 v1(105.994,157.328) 107.696,159.029 107.696,169.037 106.628,170.105 106.628,195.707 106.222,196.113 v1(105.969,196.113) 106.883,197.028 111.481,197.028 117.196,191.313 117.196,181.813 120.269,178.74 146.787,178.74 153.06,185.014 153.06,191.77 157.251,195.961 v1(158.927,195.961) v1@159.181,195.707 ; v1(99.924,130.759) 100.432,130.251 100.432,125.171 101.6,124.003 101.6,100.711 v1(101.854,100.457) 105.156,100.457 108.864,104.165 108.864,122.428 110.566,124.13 v1(110.566,124.739) ; v1(151.74,125.578) 151.74,124.079 154.28,121.539 154.28,100.838 v1(154.534,100.584) 157.074,100.584 161.493,105.004 161.493,120.066 162.535,121.107 162.535,121.641 v1(162.738,121.437) ; v1(217.424,98.73) 256.692,98.73 258.166,97.257 v1(259.105,97.257) 263.322,97.257 267.513,101.448 v1(267.513,109.55)
SCLK*: U1.25 U12.13 | length 43
  Top Layer w0.305: U12.13@284.787,112.497 284.812,112.522 v1(292.1,112.522) ; v1(292.989,115.545) 294.919,115.545 296.895,113.569 U1.25@296.895,86.053
  Bottom Layer w0.305: v1(292.1,112.522) 292.1,112.979 292.989,113.868 v1(292.989,115.545)
SYNC1*: R50.1 TP7.TP U2.5 U10.13 | length 126.7
  Top Layer w0.305: U10.13@122.853,136.901 122.853,135.121 120.04,132.309 R50.1@120.04,129.374 119.087,129.374 118.491,128.778 118.491,127.051 119.024,126.517 156.235,126.517 163.271,119.482 184.277,119.482 204.064,99.695 214.071,99.695 216.154,97.612 U2.5@216.154,92.968
SYNC2*: R10.1 TP11.TP U7.5 U10.17 | length 164.8
  Top Layer w0.305: U10.17@124.853,136.901 124.853,132.144 129.591,127.406 134.036,127.406 135.978,129.348 R10.1@136.271,129.348 ; v1(143.967,130.937) 144.831,130.073 147.371,130.073 148.387,131.089 162.865,131.089 168.199,125.755 187.3,125.755 205.207,107.848 254.127,107.848 257.861,104.115 U7.5@257.861,92.915
  Bottom Layer w0.305: v1(136.296,129.337) 136.296,130.099 137.135,130.937 v1(143.967,130.937)
TCK: CON2.1 U10.28 | length 20.3
  Top Layer w0.305: v1(129.921,131.293) 130.303,131.293 130.353,131.242 U10.28@130.353,136.901
  Bottom Layer w0.305: v1(129.921,131.293) 129.845,131.216 129.845,119.075 CON2.1@131.216,117.704
TDI: CON2.9 U10.29 | length 39.9
  Top Layer w0.305: U10.29@130.853,136.901 130.853,131.046 131.064,130.835 132.969,130.835 134.468,132.334 144.577,132.334 v1(145.644,131.267)
  Bottom Layer w0.305: CON2.9@141.376,117.704 143.739,117.704 147.345,121.31 147.345,129.565 v1(145.644,131.267)
TDO: CON2.3 U10.30 | length 20.9
  Top Layer w0.305: U10.30@131.353,136.901 131.353,132.451 v1(131.877,131.928)
  Bottom Layer w0.305: v1(131.877,131.928) 131.877,132.258 132.537,131.597 132.537,118.923 CON2.3@133.756,117.704
TMS: CON2.5 U10.31 | length 21.4
  Top Layer w0.305: U10.31@131.853,136.901 131.853,133.475 132.283,133.045 132.74,133.045 v1(133.172,132.613)
  Bottom Layer w0.305: v1(133.172,132.613) 133.172,123.342 135.026,121.488 135.026,118.897 136.22,117.704 CON2.5@136.296,117.704
TX0: TP3.TP
USB_D+: R45.2 X1.3 | length 9.3
  Top Layer w0.305: X1.3@33.613,165.446 42.06,165.446 R45.2@42.685,164.821
USB_D-: R46.2 X1.2 | length 9.4
  Top Layer w0.305: X1.2@33.613,166.246 41.824,166.246 R46.2@42.685,167.107
VBG: C50.1 R13.2 U10.40 | length 27.7
  Top Layer w0.305: U10.40@136.403,140.451 159.04,140.451 160.782,138.709 R13.2@160.782,138.516 160.804,138.494 C50.1@163.144,138.494
VDDANA: C24.1 C25.1 L2.2 U10.73 | length 14.7
  Top Layer w0.305: U10.73@134.353,158.501 134.353,159.042 134.671,159.36 139.903,159.36 142.062,161.519 L2.2@142.062,161.993 142.093,161.962 C25.1@146.964,161.962